# Altium PCB 39-996 - SM Clock-Timer.PcbDoc (continued)
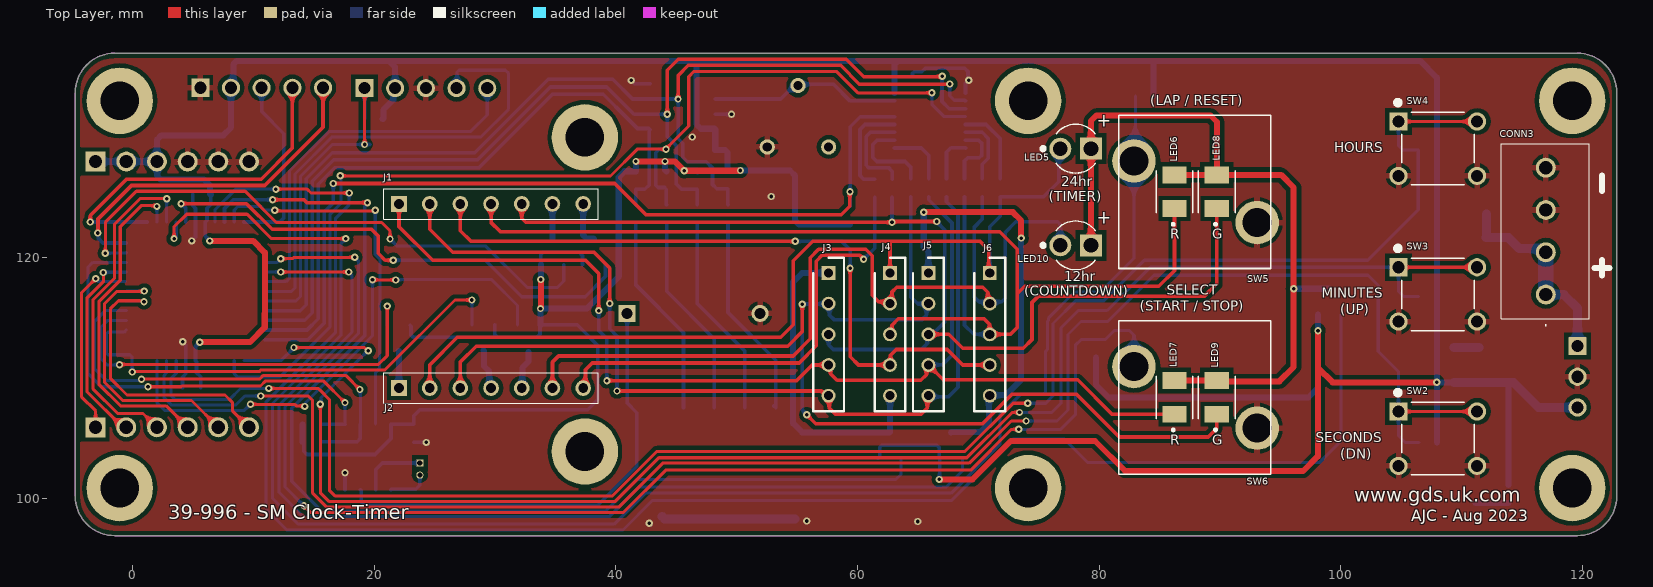
[diagram p0: Top Layer view]
## Nets (pads, with @x,y where several pads share a name; then routed paths per layer and width w, separated by ;. In a path a pad name is that pad's centre, name@x,y a point inside that pad or via, vN(x,y) a via of type N, cw(c..) or ccw(c..) an arc to the next point about the centre after c; other vN are vias at no path point)
1Hz_CLK: U1.10 U4.7 | length 31
  Top Layer w0.254: v1(11.764,123.88) 11.824,123.82 20.028,123.82 v1(20.081,123.873)
  Bottom Layer w0.254: U1.10 8.407,123.875 8.725,124.193 10.604,124.193 10.915,123.883 11.761,123.883 v1(11.764,123.88) ; v1(20.081,123.873) 20.081,120.204 20.477,119.808 20.477,116.232 20.444,116.198 20.444,110.782 20.119,110.457 20.119,110.011 20.113,110.005 U4.7
+5V: C1.2 C2.2 C3.2 C4.2 C6.2 C7.2 C9.2 CONN1.2 CONN2.2 J7.1 J7.2 J7.3 PS1.3 Q1.2 Q2.2 Q3.2 Q4.2 Q5.2 Q6.2 Q7.2 Q8.2 R1.2 R2.2 R12.2 R13.2 R14.2 R15.2 R16.2 R17.2 R18.2 R23.2 R24.2 R25.2 R26.2 R27.2 U1.7 U1.28 U2.16 U3.8 U4.8 | length 422.5
  Top Layer w0.5: v1(5.55,112.954) 9.716,112.954 10.935,114.173 10.935,115.329 10.945,115.339 10.945,120.358 9.967,121.336 v1(6.388,121.336) ; v1(33.754,115.732) 33.754,115.759 33.784,115.79 v1(33.784,118.141) ; v1(41.656,127.914) v1(44.067,127.914) 44.882,127.914 v1(45.656,127.14) 50.281,127.14 v1(50.302,127.161) ; v1(66.771,101.595) 69.514,101.595 72.695,104.775 79.655,104.775 82.144,102.286 96.883,102.286 98.107,103.51 98.107,110.846 ; v1(98.107,113.906) 98.107,110.846 ; v1(107.948,109.626) 99.327,109.626 98.107,110.846
  Bottom Layer w0.3: v1(5.55,112.954) 5.207,112.611 U1.28 5.286,111.341 5.286,110.424 5.626,110.084 C3.2@5.626,109.182 ; v1(6.388,121.336) 6.007,121.717 U1.7 6.157,123.045 6.157,124.026 6.465,124.334 C2.2 ; R14.2@14.077,104.689 R14.2 14.173,104.592 14.173,103.924 14.44,103.657 20.066,103.657 21.383,104.974 U4.8 21.391,106.157 C9.2 23.279,106.858 23.787,107.366 37.668,107.366 38.505,108.203 38.505,112.669 36.792,114.382 Q3.2 33.718,114.346 33.718,113.602 33.489,113.372 30.189,113.372 ; Q1.2 23.038,114.278 23.038,113.548 23.214,113.372 30.189,113.372 ; Q2.2 29.985,114.38 29.985,113.576 30.189,113.372 ; Q4.2 33.784,120.208 33.96,120.384 36.955,120.384 37.235,120.104 Q8.2 ; Q5.2 61.837,103.514 61.837,104.253 62.012,104.429 66.551,104.429 66.751,104.229 66.751,103.381 Q6.2 66.791,103.339 66.791,101.614 v1(66.771,101.595) ; U2.16@63.052,133.596 63.052,133.583 U2.16 ; R23.2@107.948,104.67 R23.2 ; C7.2@109.361,109.626 C7.2
  Bottom Layer w0.5: J7.1 J7.2 J7.3 ; C2.2 6.415,125.234 6.415,125.919 5.902,126.432 2.306,126.432 2.038,126.7 2.038,127.877 J7.3 ; R13.2 14.077,106.137 R14.2@14.077,104.689 ; R1.2 20.75,131.482 20.75,132.182 21.577,133.008 21.577,133.824 CONN1.2 CONN1.2 21.728,135.712 21.335,136.106 21.335,136.233 ; Q3.2 v1(33.754,115.732) ; v1@33.781,115.732 37.592,115.732 40.234,118.374 40.234,126.603 40.729,127.099 R18.2 v1(41.656,127.914) ; v1(33.784,118.141) Q4.2 ; v1(44.067,127.914) 44.067,127.202 R17.2 ; v1(45.656,127.14) 46.677,127.14 46.686,127.149 R16.2 ; R2.2 55.144,122.694 54.839,122.999 54.839,126.733 54.411,127.161 v1(50.302,127.161) R15.2 49.251,128.638 49.035,128.854 C4.2 48.223,130.525 U3.8 48.165,130.618 47.042,130.618 46.66,131 46.66,136.144 46.749,136.233 ; U2.16@63.052,133.596 C1.2 63.072,135.055 63.072,135.94 63.364,136.233 ; R24.2 79.73,109.436 80.797,108.369 97.32,108.369 98.107,109.156 v1(98.107,113.906) Q7.2 ; R27.2 84.489,136.19 84.531,136.233 ; R23.2@107.948,104.67 v1(107.948,109.626) ; C7.2@109.361,109.626 v1(107.948,109.626) ; 113.805,109.624 113.878,109.55 R12.2 ; J7.3 2.013,129.712 2.375,130.073 7.506,130.073 8.141,130.708 CONN2.2 8.331,134.201 8.331,135.94 8.624,136.233 21.335,136.233 ; 21.335,136.233 46.749,136.233 ; 46.749,136.233 63.364,136.233 ; 63.364,136.233 84.531,136.233 ; 84.531,136.233 106.562,136.233 107.948,134.847 v1(107.948,109.626)
  Bottom Layer w0.75: C7.2 113.805,109.624 114.277,109.624 116.353,107.548 PS1.3
ANODE_1: J2.1 Q1.3 | length 3.1
  Bottom Layer w0.5: Q1.3 22.034,112.211 22.034,109.168 J2.1
ANODE_1_Drive: Q1.1 U1.36 | length 34.9
  Top Layer w0.254: v1(-1.087,111.079) -1.054,111.112 -1.041,111.112 20.345,111.112 21.071,111.838 v1(21.071,115.938)
  Bottom Layer w0.254: v1(-1.087,111.079) -2.126,111.079 -2.626,111.579 -2.626,114.202 -2.07,114.757 U1.36 ; Q1.1@21.071,114.345 v1(21.071,115.938)
ANODE_2: J2.4 Q2.3 | length 3.4
  Bottom Layer w0.5: Q2.3 29.077,112.217 29.077,110.978 29.514,110.541 29.514,109.308 J2.4
ANODE_2_Drive: Q2.1 U1.35 | length 39.5
  Top Layer w0.254: v1(-0.038,110.485) -0.01,110.514 10.485,110.514 10.629,110.658 20.895,110.658 26.68,116.444 v1(28.082,116.444)
  Bottom Layer w0.254: U1.35 -0.704,113.785 -2.023,113.785 -2.172,113.636 -2.172,112.061 -2.023,111.912 -0.229,111.912 -0.038,111.722 v1(-0.038,110.485) ; Q2.1 v1(28.082,116.444)
ANODE_3: J2.5 Q3.3 | length 3.2
  Bottom Layer w0.5: J2.5 32.258,109.206 32.258,110.833 32.76,111.335 Q3.3@32.76,112.135
ANODE_3_Drive: Q3.1 U1.32 | length 43.6
  Top Layer w0.254: v1(9.754,107.823) 9.766,107.81 13.413,107.81 13.54,107.683 14.199,107.683 v1(14.248,107.634) ; v1(19.85,118.113) 19.856,118.107 21.764,118.107 v1(21.77,118.102)
  Bottom Layer w0.254: U1.32 2.007,107.95 2.644,107.313 9.243,107.313 v1(9.754,107.823) ; v1(14.248,107.634) 14.314,107.701 14.314,107.945 19.85,113.482 v1(19.85,118.113) ; v1(21.77,118.102) 21.791,118.123 29.72,118.123 31.854,115.988 Q3.1
ANODE_4: J1.6 Q4.3 | length 2.9
  Bottom Layer w0.5: Q4.3 34.741,121.5 34.741,124.389 J1.6
ANODE_4_Drive: Q4.1 U1.43 | length 48.6
  Top Layer w0.254: v1(-2.261,120.32) -2.261,122.872 0.309,125.442 9.315,125.442 11.897,122.86 20.612,122.86 21.303,122.169 21.303,121.496 v1(21.311,121.488)
  Bottom Layer w0.254: v1(-2.261,120.32) -0.569,120.32 U1.43 ; v1(21.311,121.488) 21.895,120.904 29.234,120.904 32.663,117.475 35.145,117.475 35.685,118.014 Q4.1
ANODE_5: J3.1 J4.5 Q5.3 | length 26.2
  Bottom Layer w0.5: J3.1 55.413,118.68 54.673,117.94 54.673,106.235 55.42,105.489 Q5.3 ; J4.5 62.692,108.515 Q5.3@62.692,105.529
ANODE_5_Drive: Q5.1 U1.9 | length 93.1
  Top Layer w0.3: v1(11.582,124.739) 14.186,124.739 14.427,124.498 v1(19.431,124.498)
  Bottom Layer w0.254: 13.331,107.637 13.319,107.637 13.17,107.488 13.17,101.438 15.64,98.968 39.135,98.968 41.762,101.595 63.185,101.595 63.592,102.001 Q5.1
  Bottom Layer w0.3: U1.9 7.607,124.014 8.333,124.739 v1(11.582,124.739) ; 13.331,107.637 19.2,113.506 19.2,124.186 19.431,124.417 v1(19.431,124.498)
ANODE_6: J5.1 J6.5 Q6.3 | length 35.6
  Top Layer w0.5: v1(65.481,123.711) 72.86,123.711 73.546,123.025 v1(73.546,121.564)
  Bottom Layer w0.5: v1(65.481,123.711) 65.481,120.84 65.862,120.459 J5.1 ; Q6.3 67.747,105.46 67.787,105.5 70.161,105.5 70.866,106.206 70.866,108.444 J6.5 70.986,108.564 72.267,108.564 73.546,109.842 v1(73.546,121.564)
ANODE_6_Drive: Q6.1 U1.15 | length 87.8
  Top Layer w0.254: v1(12.264,118.757) v1(17.883,118.757)
  Bottom Layer w0.254: U1.15 v1(12.264,118.757) ; v1(17.883,118.757) 17.883,118.714 18.161,118.436 18.161,113.784 12.128,107.751 12.128,100.512 14.127,98.514 39.446,98.514 41.897,100.965 67.345,100.965 68.692,102.311 Q6.1
ANODE_COLON: J1.7 Q8.3 | length 3.6
  Bottom Layer w0.5: J1.7 37.287,121.812 37.565,121.534 38.145,121.534 Q8.3
ANODE_COLON_Drive: Q8.1 U1.5 | length 42.5
  Top Layer w0.3: v1(4.008,124.417) 9.417,124.417 11.546,122.288 19.774,122.288 20.32,121.743 20.32,120.309 20.895,119.734 v1(21.571,119.734)
  Bottom Layer w0.3: v1(4.008,124.417) 4.058,124.417 4.407,124.067 U1.5 ; v1(21.571,119.734) 29.194,119.734 32.205,116.723 37.453,116.723 39.135,118.405 Q8.1
ANODE_LED: LED5.A LED6.A LED7.A LED8.A LED9.A LED10.A Q7.3 | length 64.1
  Top Layer w0.5: LED10.A 79.324,131.271 79.764,131.712 89.214,131.712 89.751,131.175 89.751,126.822 LED8.A ; LED7.A LED9.A 89.812,109.703 94.907,109.703 96.101,110.896 v1(96.101,117.372) 96.101,125.755 95.055,126.801 LED8.A ; LED6.A LED8.A
  Bottom Layer w0.5: v1@96.063,117.348 96.087,117.372 Q7.3
ANODE_LED_Drive: Q7.1 U1.8 | length 146.8
  Top Layer w0.254: v1(11.859,125.616) 14.44,125.616 14.757,125.298 v1(17.92,125.298)
  Bottom Layer w0.254: U1.8 6.807,123.888 8.534,125.616 v1(11.859,125.616) ; v1(17.92,125.298) 17.92,124.333 16.802,123.215 16.802,113.773 11.053,108.025 11.053,99.114 12.755,97.413 40.58,97.413 43.028,99.86 67.798,99.86 72.891,104.953 77.089,104.953 79.032,103.01 98.26,103.01 100.007,104.757 Q7.1
BUTTON1: R23.1 SW2.1 U1.31 | length 146
  Top Layer w0.254: v1(10.602,108.496) 14.541,108.496 14.875,108.163 14.875,100.5 16.073,99.301 40.234,99.301 43.866,102.933 69.238,102.933 72.73,106.426 v1(73.952,106.426) ; SW2.1@104.776,107.214 SW2.1@111.276,107.214
  Bottom Layer w0.254: U1.31 2.807,110.414 2.603,110.211 2.603,108.351 3.185,107.769 8.557,107.769 9.284,108.496 v1(10.602,108.496) ; v1(73.952,106.426) 76.505,106.426 77.419,107.34 77.419,113.589 78.499,114.668 80.708,114.668 84.531,118.491 102.248,118.491 103.099,117.64 103.099,112.179 104.776,110.502 104.776,107.214 104.776,105.214 105.36,104.63 R23.1
BUTTON2: R24.1 SW6.1 U1.14 | length 112.8
  Top Layer w0.254: v1(12.264,119.862) 13.237,119.863 13.351,119.977 v1(18.39,119.977) ; v1(14.173,99.416) 14.742,98.847 40.605,98.847 44.12,102.362 69.367,102.362 72.746,105.74 v1(73.342,105.74)
  Bottom Layer w0.254: U1.14 11.955,119.558 12.26,119.862 v1(12.264,119.862) ; v1(14.173,99.416) 12.611,100.978 12.611,107.592 18.7,113.681 18.7,119.655 18.39,119.966 v1(18.39,119.977) ; v1(73.342,105.74) 76.822,105.74 78.029,106.947 78.029,112.7 78.504,113.175 R24.1 80.5,113.175 81.226,113.902 82.505,113.902 82.88,113.527 SW6.1
BUTTON3: R25.1 SW3.1 U1.23 | length 135.8
  Top Layer w0.254: v1(13.348,112.507) 13.359,112.497 19.192,112.497 19.452,112.236 v1(19.492,112.236) ; v1(15.532,107.81) 15.532,100.484 16.242,99.774 39.945,99.774 43.558,103.387 69.05,103.387 72.799,107.137 v1(73.406,107.137) ; SW3.1@104.776,119.152 SW3.1@111.276,119.152
  Bottom Layer w0.254: U1.23 12.271,111.42 13.348,112.497 v1(13.348,112.507) ; v1(15.532,107.81) 15.598,107.877 15.598,108.367 19.468,112.236 v1(19.492,112.236) ; v1(73.406,107.137) 76.086,107.137 76.835,107.886 76.835,114.135 78.27,115.57 80.658,115.57 84.24,119.152 104.776,119.152 104.776,117.152 105.183,116.745 R25.1
BUTTON4: R26.1 SW4.1 U1.30 | length 143.5
  Top Layer w0.254: v1(11.265,109.123) 11.354,109.123 15.371,109.123 15.519,108.974 16.281,108.212 16.281,100.686 16.739,100.228 39.713,100.228 43.396,103.911 68.888,103.911 72.876,107.899 v1(74.092,107.899) ; SW4.1@104.776,131.217 SW4.1@111.276,131.217
  Bottom Layer w0.254: U1.30 3.607,110.376 3.162,109.931 3.162,108.547 3.486,108.223 8.033,108.223 8.933,109.123 v1(11.265,109.123) ; v1(74.092,107.899) 75.565,107.899 76.175,108.509 76.175,114.503 78.054,116.383 80.391,116.383 83.739,119.73 102.236,119.73 106.409,123.904 R26.1 105.147,128.846 104.776,129.217 SW4.1@104.776,131.217
BUTTON5: R27.1 SW5.1 U1.4 | length 141.6
  Top Layer w0.254: v1(3.429,121.524) 3.429,122.503 4.466,123.54 9.476,123.54 11.492,121.524 v1(17.634,121.524)
  Bottom Layer w0.254: v1(3.429,121.524) 3.607,121.702 U1.4 ; v1(17.634,121.524) 17.256,121.146 17.256,113.543 11.582,107.87 11.582,100.024 13.72,97.887 39.858,97.887 42.424,100.453 67.75,100.453 71.78,104.484 71.78,106.921 73.505,108.646 75.416,108.646 75.565,108.795 75.565,112.203 75.721,112.359 75.721,114.691 75.819,114.79 75.819,114.97 77.953,117.104 80.09,117.104 82.88,119.894 SW5.1 82.989,128.06 R27.1
CATHODE_A: J2.2 J4.1 J6.1 LED5.C R3.2 | length 75.2
  Top Layer w0.3: J2.2 24.587,111.068 26.879,113.36 53.638,113.36 54.673,114.395 54.673,119.681 56.29,121.298 62.687,121.298 ; J4.1 62.687,121.298 ; J6.1 70.85,118.773 70.85,120.579 70.131,121.298 62.687,121.298
  Bottom Layer w0.3: J6.1 70.942,122.504 71.802,123.364 R3.2 71.82,124.981 75.387,124.981 76.644,126.238 76.644,128.827 LED5.C
CATHODE_B: J2.6 J4.2 J6.2 LED10.C R4.2 | length 75.6
  Top Layer w0.3: J2.6 34.747,111.303 35.255,111.811 54.673,111.811 56.087,113.225 56.087,119.95 56.774,120.637 60.681,120.637 61.214,120.104 61.214,116.827 61.739,116.303 62.85,116.303 62.85,117.104 63.246,117.5 70.371,117.5 70.78,117.092 70.78,116.303 J6.2
  Bottom Layer w0.3: R4.2 70.333,123.152 69.672,122.492 69.672,116.675 70.044,116.303 70.78,116.303 J6.2 71.105,116.303 71.929,116.303 72.225,116.599 72.225,122.034 73.101,122.911 76.568,122.911 76.784,122.695 LED10.C
CATHODE_C: J1.4 J4.3 J6.3 LED6.C R5.2 | length 97.1
  Top Layer w0.3: J1.4 29.667,122.86 30.442,122.085 71.78,122.085 73.228,120.637 73.228,116.967 ; J4.3 62.85,113.763 62.85,114.361 63.373,114.884 70.472,114.884 70.924,114.432 70.924,113.618 J6.3 72.668,113.6 73.228,114.16 73.228,116.967 ; LED6.C 86.23,118.869 84.938,117.577 73.838,117.577 73.228,116.967
  Bottom Layer w0.3: R5.2 68.847,114.363 69.61,113.6 J6.3
CATHODE_COLON: J2.7 R10.2 | length 38.3
  Top Layer w0.3: J2.7 37.479,109.346 37.479,110.669 38.036,111.227 55.169,111.227 56.587,112.645 56.587,119.659 57.065,120.137 60.19,120.137 v1(60.503,119.825)
  Bottom Layer w0.3: v1(60.503,119.825) 61.413,120.735 R10.2
CATHODE_D: J1.2 J3.5 J5.5 R6.2 | length 76
  Top Layer w0.3: J1.2 24.587,122.288 26.491,120.384 38.185,120.384 39.484,119.084 v1(39.484,116.154) ; v1(40.094,108.915) 57.006,108.915 57.402,108.52 J3.5 57.656,108.472 57.656,107.495 58.151,107 65.281,107 65.776,107.495 65.776,108.434 J5.5
  Bottom Layer w0.3: v1(39.484,116.154) 39.484,114.062 40.094,113.452 v1(40.094,108.915) ; J5.5 65.962,108.42 67.513,108.42 68.318,109.225 68.318,123.617 67.361,124.574 R6.2
CATHODE_DP: J1.3 J4.4 J6.4 | length 57.3
  Top Layer w0.3: J1.3 27.127,122.172 28.001,121.298 v1(54.852,121.298) ; v1(59.385,119.061) 59.385,111.75 60.075,111.06 J4.4 62.728,111.101 62.728,111.868 63.204,112.344 67.435,112.344 68.719,111.06 J6.4
  Bottom Layer w0.3: v1(54.852,121.298) 58.678,121.298 59.385,120.591 v1(59.385,119.061)
CATHODE_E: J1.1 J3.4 J5.4 LED7.C R7.2 | length 96.3
  Top Layer w0.3: J1.1 22.047,122.517 24.83,119.734 37.479,119.734 38.583,118.63 v1(38.583,115.565) ; v1(39.256,109.766) 54.953,109.766 56.247,111.06 J3.4 57.77,110.897 57.77,110.327 58.306,109.791 65.227,109.791 65.7,110.264 65.7,110.898 J5.4 67.093,109.83 78.218,109.83 81.064,106.984 LED7.C
  Bottom Layer w0.3: v1(38.583,115.565) 38.583,113.912 39.256,113.239 v1(39.256,109.766) ; J5.4 65.876,111.074 67.031,111.074 67.818,111.862 67.818,122.822 65.894,124.746 R7.2
CATHODE_F: J2.3 J3.2 J5.2 LED9.C R8.2 | length 103.7
  Top Layer w0.3: J2.3 27.127,111.316 28.435,112.624 54.216,112.624 55.423,113.831 v1(55.423,116.09) ; v1(55.794,106.947) 56.535,106.206 70.341,106.206 72.782,108.646 78.118,108.646 81.664,105.1 89.027,105.1 89.73,105.804 LED9.C
  Bottom Layer w0.3: v1(55.794,106.947) 55.423,107.317 v1(55.423,116.09) 55.449,116.115 57.582,116.115 J3.2 57.683,116.064 57.683,115.189 58.052,114.821 65.341,114.821 65.7,115.179 65.7,115.978 J5.2@65.851,116.129 ; R8.2 64.389,116.713 64.579,116.523 64.973,116.129 J5.2@65.851,116.129 ; J5.2 J5.2@65.851,116.129
CATHODE_G: J1.5 J3.3 J5.3 LED8.C R9.2 | length 92.9
  Top Layer w0.3: J1.5 32.207,123.203 32.537,122.872 v1(62.852,122.872) 62.916,122.936 v1(66.561,122.936) ; J5.3 67.553,113.6 68.707,112.446 73.711,112.446 74.435,113.17 74.435,116.23 74.943,116.738 88.684,116.738 89.738,117.792 89.738,123.993 LED8.C
  Bottom Layer w0.3: J3.3 57.607,112.725 57.988,112.344 65.278,112.344 65.773,112.839 65.773,113.511 J5.3 66.092,113.6 66.346,113.854 66.458,113.854 67.221,114.617 67.221,122.237 66.561,122.898 v1(66.561,122.936) ; v1(62.852,122.872) 62.852,124.921 R9.2
GND: BATT1.- C1.1 C2.1 C3.1 C4.1 C5.1 C6.1 C7.1 C8.1 C9.1 CONN1.3 CONN2.1 CONN3.3 CONN3.4 J7.4 J7.5 J7.6 LED3.1 PS1.2 R11.1 SW1.1 SW1.2 SW1.3 SW1.4 SW2.2 SW3.2 SW4.2 SW5.2 SW6.2 U1.6 U1.29 U2.1 U3.4 U3.7 U4.4 | length 33.6
  Bottom Layer w0.3: C3.1@4.126,109.182 4.126,110.057 4.407,110.338 U1.29 4.407,112.725 v1(4.153,112.979) ; v1(4.889,121.336) 5.207,121.653 U1.6 5.207,124.015 4.965,124.257 C2.1 ; U4.4 v1(17.573,102.138) ; C9.1 v1(24.312,104.657) ; v1(41.275,134.62) 41.542,134.353 U3.4 ; U3.7 v1(49.568,131.813) ; C1.1 64.552,135.185 64.702,135.335 65.32,135.335 65.618,135.633 68.862,135.633 69.145,135.351 69.145,134.69 v1(69.202,134.633) 68.94,134.37 U2.1
  Bottom Layer w0.75: 43.835,98.514 44.029,98.321 SW1.4 SW1.1 54.839,98.321 ; C7.1 C7.1 111.436,112.525 C6.1
  other v1: 42.753,97.974 64.973,98.105 55.794,98.153 52.857,125.006 46.317,129.934
I2C_CLOCK: R14.1 U1.37 U4.6 | length 37.4
  Top Layer w0.254: v1(0.732,109.887) 10.5,109.887 10.817,110.204 17.634,110.204 v1(18.809,109.029)
  Bottom Layer w0.254: U1.37 -2.273,115.558 -3.18,114.651 -3.18,110.774 -2.197,109.791 0.637,109.791 v1(0.732,109.887) ; v1(18.809,109.029) 18.843,108.996 U4.6
  Bottom Layer w0.3: R14.1 15.621,104.721 18.58,104.721 18.843,104.983 U4.6
I2C_DATA: R13.1 U1.42 U4.5 | length 38.6
  Top Layer w0.254: v1(1.27,109.26) 4.008,109.26 4.08,109.331 10.586,109.331 11.005,109.75 15.776,109.75 v1(17.573,107.953)
  Bottom Layer w0.254: U1.42 -3.29,119.558 -3.68,119.167 -3.68,110.335 -2.605,109.26 v1(1.27,109.26) ; U4.5 v1(17.573,107.953)
  Bottom Layer w0.3: R13.1 17.551,106.143 U4.5
ICD_PGCLOCK: CONN1.5 U1.16 | length 31.5
  Bottom Layer w0.254: U1.16 12.71,117.958 12.986,118.233 12.986,127.121 16.262,130.397 27.992,130.397 29.349,131.754 CONN1.5
ICD_PGDATA: CONN1.4 U1.17 | length 40.7
  Bottom Layer w0.254: U1.17 13.144,117.157 13.44,117.453 13.44,126.87 16.512,129.943 28.826,129.943 31.119,132.237 31.119,135.198 30.859,135.458 27.008,135.458 26.859,135.309 26.859,134.026 CONN1.4
L\E\D\_\O\E\: R2.1 U1.22 U2.13 | length 73.3
  Top Layer w0.3: v1(16.599,126.086) 39.894,126.086 42.485,123.495 58.661,123.495 59.36,124.194 59.36,125.395 v1(59.372,125.408)
  Bottom Layer w0.3: U1.22 14.491,113.157 15.871,114.537 15.871,123.738 16.599,124.466 v1(16.599,126.086) ; R2.1@59.385,124.194 59.385,130.793 60.214,131.621 U2.13 U2.13@63.062,131.62
M\C\L\R\_VPP: CONN1.1 R1.1 U1.18 | length 27.3
  Top Layer w0.254: CONN1.1@19.125,133.912 CONN1.1 ; v1(19.2,129.311) CONN1.1@19.2,133.977
  Bottom Layer w0.254: U1.18 13.513,116.357 13.894,116.738 13.894,126.682 16.523,129.311 v1(19.2,129.311) 19.7,129.311
  Bottom Layer w0.3: CONN1.1 19.2,133.966 R1.1
MSF_Signal: CONN2.3 U1.11 | length 15
  Bottom Layer w0.3: U1.11 12.175,122.896 12.509,123.229 12.509,130.214 10.681,132.042 CONN2.3
NetBATT1_+: BATT1.+ U4.3 | length 38.3
  Bottom Layer w0.3: U4.3 18.91,100.674 18.91,99.705 19.17,99.445 38.485,99.445 41.732,102.692 41.732,107.112 40.93,107.914 BATT1.+
NetC5_2: C5.2 C8.2 CONN3.1 CONN3.2 PS1.1 | length 17.2
  Bottom Layer w0.75: C5.2@112.057,123.545 112.057,121.64 C8.2 113.878,121.609 114.782,120.706 CONN3.2@117.221,120.706 ; CONN3.1 118.452,116.892 119.589,115.755 119.589,112.631 PS1.1
  Bottom Layer w1.27: CONN3.1 CONN3.2
NetLED3_2: LED3.2 R12.1 | length 2.7
  Bottom Layer w0.5: LED3.2 111.147,99.641 R12.1
NetR3_1: R3.1 U2.5 | length 6.7
  Bottom Layer w0.3: U2.5 70.637,130.971 71.802,129.805 R3.1
NetR4_1: R4.1 U2.6 | length 5.7
  Bottom Layer w0.3: U2.6 70.322,130.321 70.828,129.815 70.828,128.176 70.333,127.681 R4.1
NetR5_1: R5.1 U2.7 | length 5.6
  Bottom Layer w0.3: R5.1 68.847,127.948 69.126,128.227 70.079,128.227 70.294,128.443 70.294,129.396 70.141,129.549 70.019,129.671 U2.7
NetR6_1: R6.1 U2.8 | length 4
  Bottom Layer w0.3: R6.1 67.361,128.672 67.742,129.053 68.908,129.053 U2.8
NetR7_1: R7.1 U2.9 | length 5
  Bottom Layer w0.3: U2.9 65.272,129.021 65.894,128.399 R7.1
NetR8_1: R8.1 U2.10 | length 7.5
  Bottom Layer w0.3: U2.10 61.604,129.671 61.252,129.319 61.252,128.24 61.582,127.91 63.932,127.91 64.389,127.453 R8.1
NetR9_1: R9.1 U2.11 | length 7.9
  Bottom Layer w0.3: R9.1 62.88,127.082 62.56,127.402 60.909,127.402 60.719,127.592 60.719,129.967 61.073,130.321 U2.11
NetR10_1: R10.1 U2.12 | length 8.2
  Bottom Layer w0.3: R10.1 60.495,126.444 60.198,126.741 60.198,130.551 60.618,130.971 U2.12
NetR11_2: R11.2 U2.15 U3.6 | length 15.9
  Bottom Layer w0.3: U3.6 53.638,133.083 54.852,134.296 58.007,134.296 59.382,132.921 U2.15
NetR19_1: R19.1 SW1.8 | length 17.1
  Bottom Layer w0.3: R19.1 49.276,115.404 53.219,111.461 SW1.8 SW1.8@53.074,107.666
NetR20_1: R20.1 SW1.7 | length 16.9
  Bottom Layer w0.3: R20.1 46.736,116.147 50.679,112.203 SW1.7
NetR21_1: R21.1 SW1.6 | length 16.9
  Bottom Layer w0.3: R21.1 44.196,117.158 48.139,113.214 SW1.6
NetR22_1: R22.1 SW1.5 | length 16.9
  Bottom Layer w0.3: R22.1 41.656,117.684 45.599,113.741 SW1.5
NetU4_1: U4.1 XTAL1.2 | length 3.4
  Bottom Layer w0.3: U4.1 21.413,100.771 23.444,100.771 23.774,101.101 XTAL1.2
NetU4_2: U4.2 XTAL1.1 | length 5.6
  Bottom Layer w0.3: U4.2 20.113,102.405 20.655,102.948 XTAL1.1
RX: CONN2.4 U1.1 | length 29.3
  Top Layer w0.3: v1(-3.514,122.895) -3.514,123.431 -0.513,126.432 10.634,126.432 13.221,129.019 CONN2.4
  Bottom Layer w0.3: v1(-3.514,122.895) U1.1
SPI_CLOCK: R16.1 R20.2 U1.20 U2.3 U3.2 | length 89.4
  Top Layer w0.3: v1(44.247,131.813) 44.247,135.458 45.153,136.365 59.076,136.365 60.507,134.933 66.975,134.933 v1(67.003,134.96)
  Bottom Layer w0.3: U1.20 14.25,114.757 14.871,115.378 14.871,126.278 16.641,128.048 28.544,128.048 34.569,134.074 39.243,134.074 41.504,131.813 U3.2 v1@44.116,131.813 ; v1(44.247,131.813) 44.247,129.976 45.007,129.216 45.007,126.024 45.432,125.599 R16.1 R20.2 ; v1(67.003,134.96) 67.003,134.943 66.99,134.931 66.99,132.878 67.597,132.271 U2.3
SPI_DATA: R15.1 R19.2 U1.19 U2.2 U3.3 | length 88.7
  Top Layer w0.3: v1(45.149,133.071) 45.149,135.026 45.987,135.865 58.598,135.865 60.152,134.311 67.627,134.311 v1(67.64,134.323)
  Bottom Layer w0.3: U1.19 13.881,115.558 14.371,116.047 14.371,126.485 16.524,128.638 28.321,128.638 34.404,134.722 39.738,134.722 41.377,133.083 U3.3 45.136,133.083 v1(45.149,133.071) 45.149,129.781 45.523,129.407 45.523,128.264 45.91,127.876 47.485,127.876 47.998,127.363 47.998,126.005 48.342,125.661 R15.1 49.251,124.349 R19.2 ; v1(67.64,134.323) 67.64,133.345 68.003,132.983 68.878,132.983 U2.2
SPI_LED_CS: R17.1 R21.2 U1.24 U2.4 | length 89.6
  Top Layer w0.254: v1(17.183,126.736) 17.211,126.708 39.548,126.708 41.764,128.924 v1(44.145,128.924) 44.145,128.969 46.026,130.85 46.026,134.926 46.469,135.369 58.242,135.369 60.025,133.587 v1(66.154,133.587)
  Bottom Layer w0.254: U1.24 8.407,110.351 8.7,110.058 12.167,110.058 16.348,114.239 16.348,123.54 17.251,124.444 17.251,126.667 v1(17.183,126.736) ; v1(66.154,133.587) 66.154,132.634 67.167,131.621 U2.4
  Bottom Layer w0.3: v1(44.145,128.924) 43.592,128.924 43.307,128.638 43.307,125.946 43.504,125.749 44.021,125.749 R17.1 44.171,124.349 R21.2
SPI_POT_CS: R18.1 R22.2 U1.21 U3.1 | length 54.8
  Bottom Layer w0.3: U1.21 14.428,113.957 15.371,114.901 15.371,126.026 16.733,127.388 28.671,127.388 34.747,133.464 38.964,133.464 40.957,131.47 41.789,130.639 42.72,130.639 U3.1 42.774,130.5 42.774,125.977 42.396,125.599 R18.1 R22.2
TX: CONN2.5 U1.44 | length 29.2
  Top Layer w0.3: v1(-2.888,121.983) -2.864,122.007 -2.864,123.145 -0.09,125.919 10.946,125.919 15.761,130.734 CONN2.5
  Bottom Layer w0.3: v1(-2.888,121.983) -2.83,121.926 -2.83,121.524 -2.464,121.158 U1.44
W5500_CS: J8.1 U1.40 | length 15.9
  Top Layer w0.254: J8.1 -3.067,107.27 -4.242,108.445 -4.242,117.028 -3.09,118.18 -3.086,118.18 v1(-3.053,118.213)
  Bottom Layer w0.254: v1(-3.053,118.213) -3.053,118.122 -2.904,117.973 U1.40@-0.584,117.973
W5500_INT: J8.5 U1.39 | length 22.7
  Top Layer w0.254: v1@0.978,117.157 -1.295,117.157 -2.34,116.113 -2.34,109.651 -0.82,108.131 4.864,108.131 J8.5
  Bottom Layer w0.254: U1.39 -0.519,117.17 0.941,117.17 v1(0.954,117.182)
W5500_MISO: J8.3 U1.3 | length 28.1
  Top Layer w0.254: J8.3 0.861,107.054 -1.238,107.054 -3.289,109.106 -3.289,116.448 -1.518,118.219 -1.518,122.688 0.651,124.857 1.928,124.857 2.79,124.857 v1(2.832,124.815)
  Bottom Layer w0.254: U1.3 2.82,122.908 2.82,124.803 v1(2.832,124.815)
W5500_MOSI: J8.4 U1.2 | length 27.7
  Top Layer w0.254: v1(2.007,124.188) 1.94,124.254 0.709,124.254 -1.029,122.517 -1.029,118.066 -2.794,116.301 -2.794,109.463 -1.008,107.677 2.778,107.677 J8.4
  Bottom Layer w0.254: U1.2 v1(2.007,124.188)
W5500_RST: J8.6 U1.38 | length 23.9
  Top Layer w0.254: v1(0.94,116.307) 0.874,116.373 0.629,116.373 0.619,116.382 -1.169,116.382 -1.841,115.71 -1.841,109.957 -0.47,108.585 7.645,108.585 8.255,107.975 8.255,107.28 J8.6
  Bottom Layer w0.254: U1.38 -0.506,116.382 0.864,116.382 v1(0.94,116.307)
W5500_SCK: J8.2 U1.41 | length 16.8
  Top Layer w0.254: v1(-2.426,118.72) -2.426,117.953 -3.788,116.591 -3.788,108.868 -0.822,105.902 J8.2
  Bottom Layer w0.254: v1(-2.426,118.72) -2.407,118.739 -0.55,118.739 U1.41
pads on no net: R11.3 U1.12 U1.13 U1.25 U1.26 U1.27 U1.33 U1.34 U2.14 U3.5

## Polygon pours and split planes (outlines as drawn)
GND on Top Layer "GND_L01_P000" (solid, remove dead copper, pour order 0): -4.75,96.939 -4.75,136.865 122.838,136.865 122.838,96.939
GND on Bottom Layer "GND_L02_P001" (solid, remove dead copper, pour order 1): -4.623,97.104 -4.623,137.03 122.965,137.03 122.965,97.104

## Keep-outs
Keep-Out Layer:
  the board outline again, w0.1

## Silkscreen, mask and mechanical layers (free items; w line width, h text height)
Top Overlay:
  lines w0.508: 120.983,119.095 122.253,119.095 ; 121.618,118.46 121.618,119.73 ; 121.618,125.476 121.618,126.746
  text "(LAP / RESET)" at 84.212,132.293 h1.4
  text "+" at 79.802,130.396 h1.8
  text "HOURS" at 99.441,128.397 h1.4
  text "24hr" at 76.856,125.577 h1.4
  text "(TIMER)" at 75.819,124.333 h1.4
  text "+" at 79.802,122.395 h1.8
  text "R" at 85.863,121.209 h1.4
  text "G" at 89.363,121.209 h1.4
  text "12hr" at 77.09,117.687 h1.4
  text "SELECT" at 85.598,116.585 h1.4
  text "(COUNTDOWN)" at 73.806,116.518 h1.4
  text "MINUTES" at 98.425,116.332 h1.4
  text "(START / STOP)" at 83.367,115.252 h1.4
  text "(UP)" at 99.949,114.97 h1.4
  text "SECONDS" at 97.917,104.394 h1.4
  text "R" at 85.863,104.192 h1.4
  text "G" at 89.363,104.192 h1.4
  text "(DN)" at 99.949,103.032 h1.4
  text "www.gds.uk.com" at 101.092,99.31 h2
  text "39-996 - SM Clock-Timer" at 2.936,97.887 h2
  text "AJC - Aug 2023" at 105.838,97.79 h1.6
Bottom Overlay:
  lines w0.508: 120.983,119.095 122.253,119.095 ; 121.618,118.46 121.618,119.73 ; 121.618,125.476 121.618,126.746
  text "Vpp" at 19.907,135.621 h1.1
  text "MSF MODULE" at 14.732,135.509 h1.52
  text "ICSP" at 25.654,135.509 h1.52
  text "GND" at 6.561,131.754 h1.1
  text "+5V" at 9.017,131.754 h1.1
  text "Rx" at 13.752,131.73 h1.1
  text "Tx" at 16.292,131.73 h1.1
  text "MSF" at 11.684,131.699 h1.1
  text "BRIGHTNESS" at 58.991,125.584 h1.4
  text "ON" at 57.295,105.402 h1.4
  text "1  2  3  4" at 53.594,102.235 h2.5
  text "FUNCTION" at 61.613,100.965 h1.4
  text "1: Timer / Clock" at 64.009,99.822 h1.4
  text "2: MSF Enable" at 64.013,98.679 h1.4
Outline:
  the board outline again, w0.2